# KiCad board rabbit_mask_backup.kicad_pcb (continued)
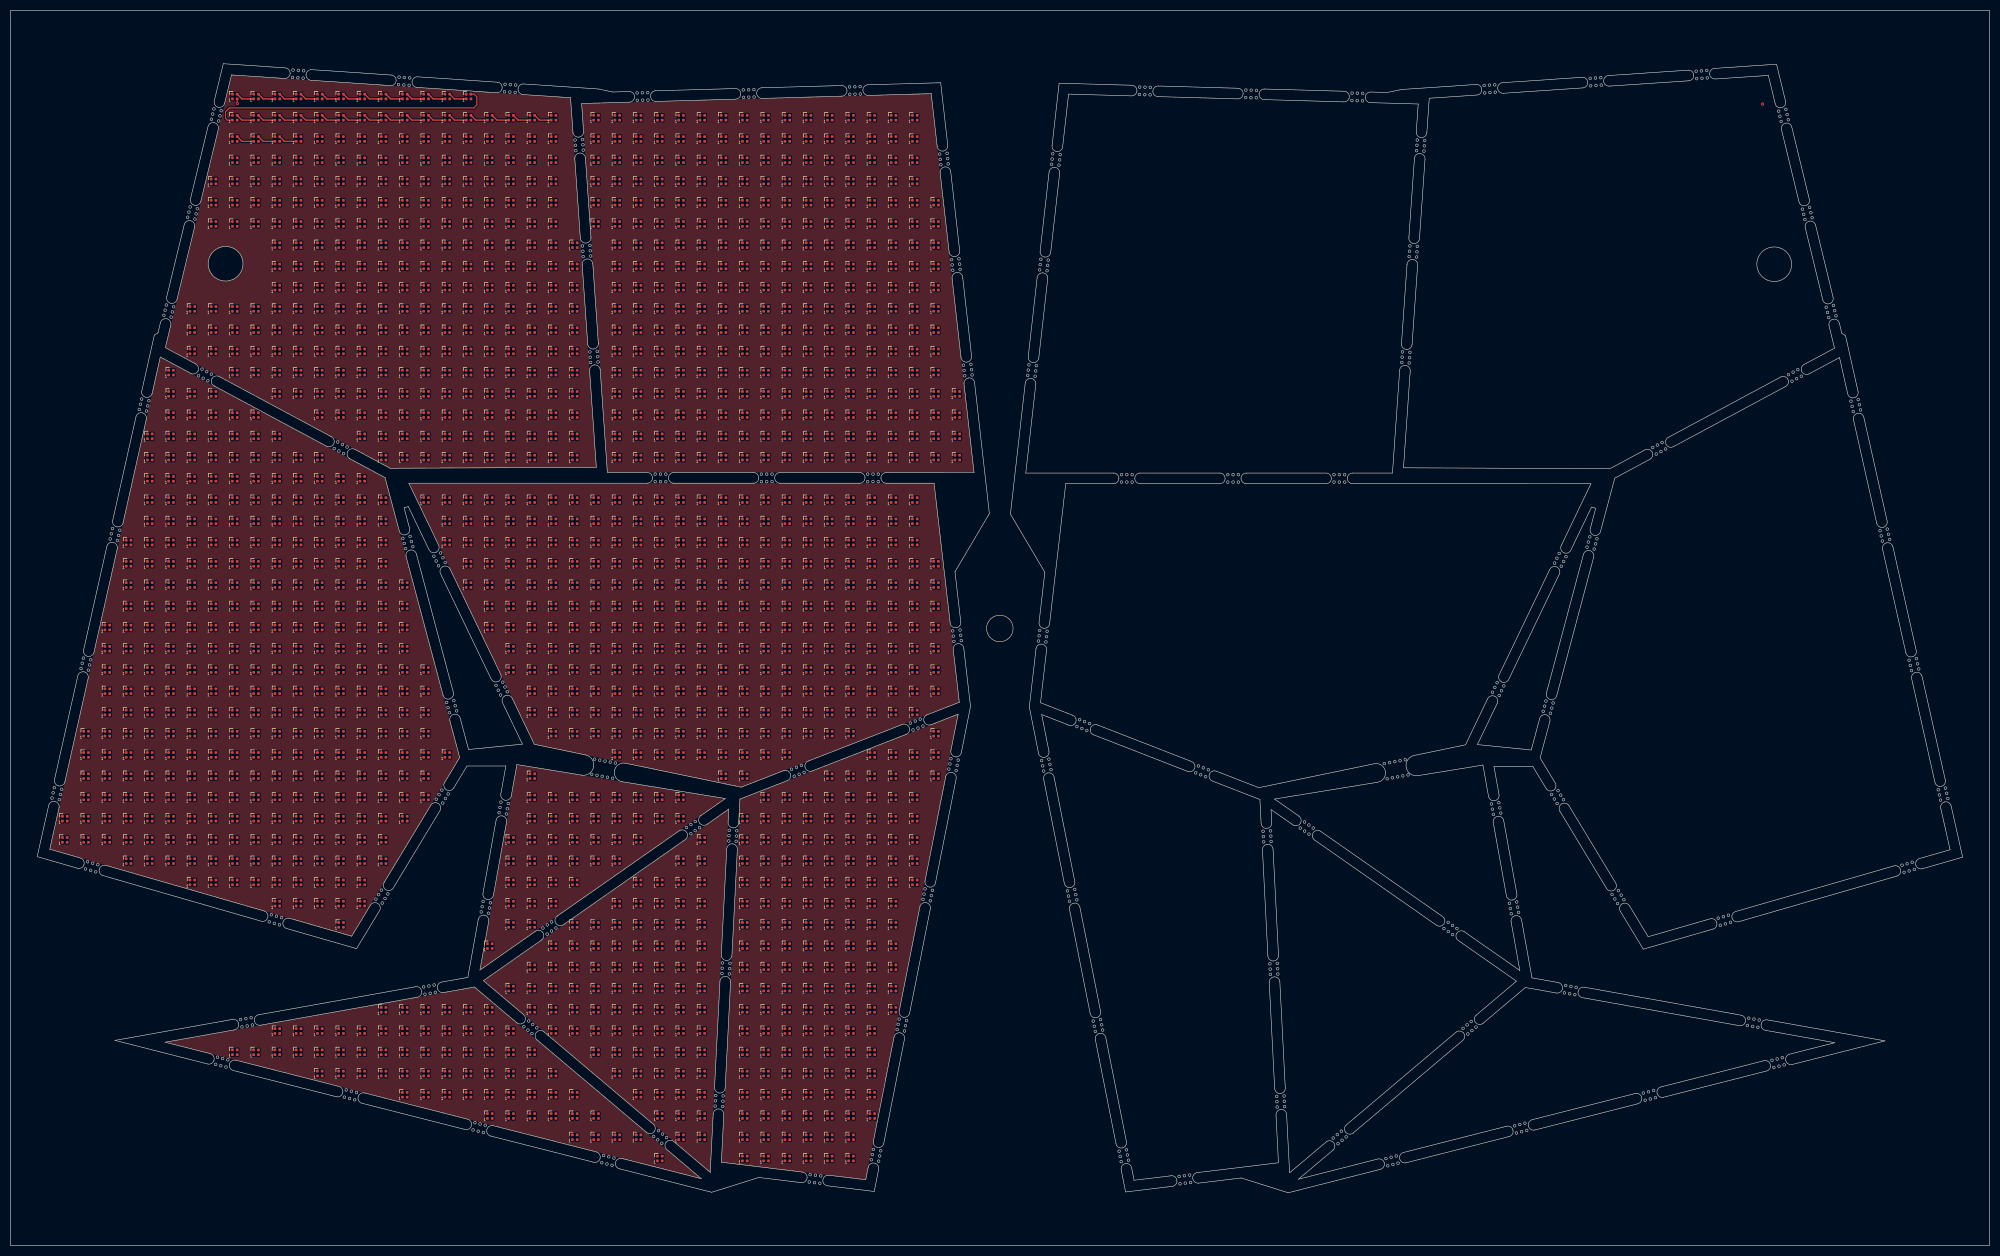
[diagram p0: board, top side]
## Nets (continued)
GND: D1.4 D2.4 D3.4 D4.4 D5.4 D6.4 D7.4 D8.4 D9.4 D10.4 D11.4 D12.4 D13.4 D14.4 D15.4 D16.4 D17.4 D18.4 D19.4 D20.4 D21.4 D22.4 D23.4 D24.4 D25.4 D26.4 D27.4 D28.4 D29.4 D30.4 D31.4 D32.4 D33.4 D34.4 D35.4 D36.4 D37.4 D38.4 D39.4 D40.4 D41.4 D42.4 D43.4 D44.4 D45.4 D46.4 D47.4 D48.4 D49.4 D50.4 D51.4 D52.4 D53.4 D54.4 D55.4 D56.4 D57.4 D58.4 D59.4 D60.4 D61.4 D62.4 D63.4 D64.4 D65.4 D66.4 D67.4 D68.4 D69.4 D70.4 D71.4 D72.4 D73.4 D74.4 D75.4 D76.4 D77.4 D78.4 D79.4 D80.4 D81.4 D82.4 D83.4 D84.4 D85.4 D86.4 D87.4 D88.4 D89.4 D90.4 D91.4 D92.4 D93.4 D94.4 D95.4 D96.4 D97.4 D98.4 D99.4 D100.4 D101.4 D102.4 D103.4 D104.4 D105.4 D106.4 D107.4 D108.4 D109.4 D110.4 D111.4 D112.4 D113.4 D114.4 D115.4 D116.4 D117.4 D118.4 D119.4 D120.4 D121.4 D122.4 D123.4 D124.4 D125.4 D126.4 D127.4 D128.4 D129.4 D130.4 D131.4 D132.4 D133.4 D134.4 D135.4 D136.4 D137.4 D138.4 D139.4 D140.4 D141.4 D142.4 D143.4 D144.4 D145.4 D146.4 D147.4 D148.4 D149.4 D150.4 D151.4 D152.4 D153.4 D154.4 D155.4 D156.4 D157.4 D158.4 D159.4 D160.4 D161.4 D162.4 D163.4 D164.4 D165.4 D166.4 D167.4 D168.4 D169.4 D170.4 D171.4 D172.4 D173.4 D174.4 D175.4 D176.4 D177.4 D178.4 D179.4 D180.4 D181.4 D182.4 D183.4 D184.4 D185.4 D186.4 D187.4 D188.4 D189.4 D190.4 D191.4 D192.4 D193.4 D194.4 D195.4 D196.4 D197.4 D198.4 D199.4 D200.4 D201.4 D202.4 D203.4 D204.4 D205.4 D206.4 D207.4 D208.4 D209.4 D210.4 D211.4 D212.4 D213.4 D214.4 D215.4 D216.4 D217.4 D218.4 D219.4 D220.4 D221.4 D222.4 D223.4 D224.4 D225.4 D226.4 D227.4 D228.4 D229.4 D230.4 D231.4 D232.4 D233.4 D234.4 D235.4 D236.4 D237.4 D238.4 D239.4 D240.4 D241.4 D242.4 D243.4 D244.4 D245.4 D246.4 D247.4 D248.4 D249.4 D250.4 D251.4 D252.4 D253.4 D254.4 D255.4 D256.4 D257.4 D258.4 D259.4 D260.4 D261.4 D262.4 D263.4 D264.4 D265.4 D266.4 D267.4 D268.4 D269.4 D270.4 D271.4 D272.4 D273.4 D274.4 D275.4 D276.4 D277.4 D278.4 D279.4 D280.4 D281.4 D282.4 D283.4 D284.4 D285.4 D286.4 D287.4 D288.4 D289.4 D290.4 D291.4 D292.4 D293.4 D294.4 D295.4 D296.4 D297.4 D298.4 D299.4 D300.4 D301.4 D302.4 D303.4 D304.4 D305.4 D306.4 D307.4 D308.4 D309.4 D310.4 D311.4 D312.4 D313.4 D314.4 D315.4 D316.4 D317.4 D318.4 D319.4 D320.4 D321.4 D322.4 D323.4 D324.4 D325.4 D326.4 D327.4 D328.4 D329.4 D330.4 D331.4 D332.4 D333.4 D334.4 D335.4 D336.4 D337.4 D338.4 D339.4 D340.4 D341.4 D342.4 D343.4 D344.4 D345.4 D346.4 D347.4 D348.4 D349.4 D350.4 D351.4 D352.4 D353.4 D354.4 D355.4 D356.4 D357.4 D358.4 D359.4 D360.4 D361.4 D362.4 D363.4 D364.4 D365.4 D366.4 D367.4 D368.4 D369.4 D370.4 D371.4 D372.4 D373.4 D374.4 D375.4 D376.4 D377.4 D378.4 D379.4 D380.4 D381.4 D382.4 D383.4 D384.4 D385.4 D386.4 D387.4 D388.4 D389.4 D390.4 D391.4 D392.4 D393.4 D394.4 D395.4 D396.4 D397.4 D398.4 D399.4 D400.4 D401.4 D402.4 D403.4 D404.4 D405.4 D406.4 D407.4 D408.4 D409.4 D410.4 D411.4 D412.4 D413.4 D414.4 D415.4 D416.4 D417.4 D418.4 D419.4 D420.4 D421.4 D422.4 D423.4 D424.4 D425.4 D426.4 D427.4 D428.4 D429.4 D430.4 D431.4 D432.4 D433.4 D434.4 D435.4 D436.4 D437.4 D438.4 D439.4 D440.4 D441.4 D442.4 D443.4 D444.4 D445.4 D446.4 D447.4 D448.4 D449.4 D450.4 D451.4 D452.4 D453.4 D454.4 D455.4 D456.4 D457.4 D458.4 D459.4 D460.4 D461.4 D462.4 D463.4 D464.4 D465.4 D466.4 D467.4 D468.4 D469.4 D470.4 D471.4 D472.4 D473.4 D474.4 D475.4 D476.4 D477.4 D478.4 D479.4 D480.4 D481.4 D482.4 D483.4 D484.4 D485.4 D486.4 D487.4 D488.4 D489.4 D490.4 D491.4 D492.4 D493.4 D494.4 D495.4 D496.4 D497.4 D498.4 D499.4 D500.4 D501.4 D502.4 D503.4 D504.4 D505.4 D506.4 D507.4 D508.4 D509.4 D510.4 D511.4 D512.4 D513.4 D514.4 D515.4 D516.4 D517.4 D518.4 D519.4 D520.4 D521.4 D522.4 D523.4 D524.4 D525.4 D526.4 D527.4 D528.4 D529.4 D530.4 D531.4 D532.4 D533.4 D534.4 D535.4 D536.4 D537.4 D538.4 D539.4 D540.4 D541.4 D542.4 D543.4 D544.4 D545.4 D546.4 D547.4 D548.4 D549.4 D550.4 D551.4 D552.4 D553.4 D554.4 D555.4 D556.4 D557.4 D558.4 D559.4 D560.4 D561.4 D562.4 D563.4 D564.4 D565.4 D566.4 D567.4 D568.4 D569.4 D570.4 D571.4 D572.4 D573.4 D574.4 D575.4 D576.4 D577.4 D578.4 D579.4 D580.4 D581.4 D582.4 D583.4 D584.4 D585.4 D586.4 D587.4 D588.4 D589.4 D590.4 D591.4 D592.4 D593.4 D594.4 D595.4 D596.4 D597.4 D598.4 D599.4 D600.4 D601.4 D602.4 D603.4 D604.4 D605.4 D606.4 D607.4 D608.4 D609.4 D610.4 D611.4 D612.4 D613.4 D614.4 D615.4 D616.4 D617.4 D618.4 D619.4 D620.4 D621.4 D622.4 D623.4 D624.4 D625.4 D626.4 D627.4 D628.4 D629.4 D630.4 D631.4 D632.4 D633.4 D634.4 D635.4 D636.4 D637.4 D638.4 D639.4 D640.4 D641.4 D642.4 D643.4 D644.4 D645.4 D646.4 D647.4 D648.4 D649.4 D650.4 D651.4 D652.4 D653.4 D654.4 D655.4 D656.4 D657.4 D658.4 D659.4 D660.4 D661.4 D662.4 D663.4 D664.4 D665.4 D666.4 D667.4 D668.4 D669.4 D670.4 D671.4 D672.4 D673.4 D674.4 D675.4 D676.4 D677.4 D678.4 D679.4 D680.4 D681.4 D682.4 D683.4 D684.4 D685.4 D686.4 D687.4 D688.4 D689.4 D690.4 D691.4 D692.4 D693.4 D694.4 D695.4 D696.4 D697.4 D698.4 D699.4 D700.4 D701.4 D702.4 D703.4 D704.4 D705.4 D706.4 D707.4 D708.4 D709.4 D710.4 D711.4 D712.4 D713.4 D714.4 D715.4 D716.4 D717.4 D718.4 D719.4 D720.4 D721.4 D722.4 D723.4 D724.4 D725.4 D726.4 D727.4 D728.4 D729.4 D730.4 D731.4 D732.4 D733.4 D734.4 D735.4 D736.4 D737.4 D738.4 D739.4 D740.4 D741.4 D742.4 D743.4 D744.4 D745.4 D746.4 D747.4 D748.4 D749.4 D750.4 D751.4 D752.4 D753.4 D754.4 D755.4 D756.4 D757.4 D758.4 D759.4 D760.4 D761.4 D762.4 D763.4 D764.4 D765.4 D766.4 D767.4 D768.4 D769.4 D770.4 D771.4 D772.4 D773.4 D774.4 D775.4 D776.4 D777.4 D778.4 D779.4 D780.4 D781.4 D782.4 D783.4 D784.4 D785.4 D786.4 D787.4 D788.4 D789.4 D790.4 D791.4 D792.4 D793.4 D794.4 D795.4 D796.4 D797.4 D798.4 D799.4 D800.4 D801.4 D802.4 D803.4 D804.4 D805.4 D806.4 D807.4 D808.4 D809.4 D810.4 D811.4 D812.4 D813.4 D814.4 D815.4 D816.4 D817.4 D818.4 D819.4 D820.4 D821.4 D822.4 D823.4 D824.4 D825.4 D826.4 D827.4 D828.4 D829.4 D830.4 D831.4 D832.4 D833.4 D834.4 D835.4 D836.4 D837.4 D838.4 D839.4 D840.4 D841.4 D842.4 D843.4 D844.4 D845.4 D846.4 D847.4 D848.4 D849.4 D850.4 D851.4 D852.4 D853.4 D854.4 D855.4 D856.4 D857.4 D858.4 D859.4 D860.4 D861.4 D862.4 D863.4 D864.4 D865.4 D866.4 D867.4 D868.4 D869.4 D870.4 D871.4 D872.4 D873.4 D874.4 D875.4 D876.4 D877.4 D878.4 D879.4 D880.4 D881.4 D882.4 D883.4 D884.4 D885.4 D886.4 D887.4 D888.4 D889.4 D890.4 D891.4 D892.4 D893.4 D894.4 D895.4 D896.4 D897.4 D898.4 D899.4 D900.4 D901.4 D902.4 D903.4 D904.4 D905.4 D906.4 D907.4 D908.4 D909.4 D910.4 D911.4 D912.4 D913.4 D914.4 D915.4 D916.4 D917.4 D918.4 D919.4 D920.4 D921.4 D922.4 D923.4 D924.4 D925.4 D926.4 D927.4 D928.4 D929.4 D930.4 D931.4 D932.4 D933.4 D934.4 D935.4 D936.4 D937.4 D938.4 D939.4 D940.4 D941.4 D942.4 D943.4 D944.4 D945.4 D946.4 D947.4 D948.4 D949.4 D950.4 D951.4 D952.4 D953.4 D954.4 D955.4 D956.4 D957.4 D958.4 D959.4 D960.4 D961.4 D962.4 D963.4 D964.4 D965.4 D966.4 D967.4 D968.4 D969.4 D970.4 D971.4 D972.4 D973.4 D974.4 D975.4 D976.4 D977.4 D978.4 D979.4 D980.4 D981.4 D982.4 D983.4 D984.4 D985.4 D986.4 D987.4 D988.4 D989.4 D990.4 D991.4 D992.4 D993.4 D994.4 D995.4 D996.4 D997.4 D998.4 D999.4 D1000.4 D1001.4 D1002.4 D1003.4 D1004.4 D1005.4 D1006.4 D1007.4 D1008.4 D1009.4 D1010.4 D1011.4 D1012.4 D1013.4 D1014.4 D1015.4 D1016.4 D1017.4 D1018.4 D1019.4 D1020.4 D1021.4 D1022.4 D1023.4 D1024.4 D1025.4 D1026.4 D1027.4 D1028.4 D1029.4 D1030.4 D1031.4 D1032.4 D1033.4 D1034.4 D1035.4 D1036.4 D1037.4 D1038.4 D1039.4 D1040.4 D1041.4 D1042.4 D1043.4 D1044.4 D1045.4 D1046.4 D1047.4 D1048.4 D1049.4 D1050.4 D1051.4 D1052.4 D1053.4 D1054.4 D1055.4 D1056.4 D1057.4 D1058.4 D1059.4 D1060.4 D1061.4 D1062.4 D1063.4 D1064.4 D1065.4 D1066.4 D1067.4 D1068.4 D1069.4 D1070.4 D1071.4 D1072.4 D1073.4 D1074.4 D1075.4 D1076.4 D1077.4 D1078.4 D1079.4 D1080.4 D1081.4 D1082.4 D1083.4 D1084.4 D1085.4 D1086.4 D1087.4 D1088.4 D1089.4 D1090.4 D1091.4 D1092.4 D1093.4 D1094.4 D1095.4 D1096.4 D1097.4 D1098.4 D1099.4 D1100.4 D1101.4 D1102.4 D1103.4 D1104.4 D1105.4 D1106.4 D1107.4 D1108.4 D1109.4 D1110.4 D1111.4 D1112.4 D1113.4 D1114.4 D1115.4 D1116.4 D1117.4 D1118.4 D1119.4 D1120.4 D1121.4 D1122.4 D1123.4 D1124.4 D1125.4 D1126.4 D1127.4 D1128.4 D1129.4 D1130.4 D1131.4 D1132.4 D1133.4 D1134.4 D1135.4 D1136.4 D1137.4 D1138.4 D1139.4 D1140.4 D1141.4 D1142.4 D1143.4 D1144.4 D1145.4 D1146.4 D1147.4 D1148.4 D1149.4 D1150.4 D1151.4 D1152.4 D1153.4 D1154.4 D1155.4 D1156.4 D1157.4 D1158.4 D1159.4 D1160.4 D1161.4 D1162.4 D1163.4 D1164.4 D1165.4 D1166.4 D1167.4 D1168.4 D1169.4 D1170.4 D1171.4 D1172.4 D1173.4 D1174.4 D1175.4 D1176.4 D1177.4 D1178.4 D1179.4 D1180.4 D1181.4 D1182.4 D1183.4 D1184.4 D1185.4 D1186.4 D1187.4 D1188.4 D1189.4 D1190.4 D1191.4 D1192.4 D1193.4 D1194.4 D1195.4 D1196.4 D1197.4 D1198.4 D1199.4 D1200.4 D1201.4 D1202.4 D1203.4 D1204.4 D1205.4 D1206.4 D1207.4 D1208.4 D1209.4 D1210.4 D1211.4 D1212.4 D1213.4 D1214.4 D1215.4 D1216.4 D1217.4 D1218.4 D1219.4 D1220.4 D1221.4 D1222.4 D1223.4 D1224.4 D1225.4 D1226.4 D1227.4 D1228.4 D1229.4 D1230.4 D1231.4 D1232.4 D1233.4 D1234.4 D1235.4 D1236.4 D1237.4 D1238.4 D1239.4 D1240.4 D1241.4 D1242.4 D1243.4 D1244.4 D1245.4 D1246.4 D1247.4 D1248.4 D1249.4 D1250.4 D1251.4 D1252.4 D1253.4 D1254.4 D1255.4 D1256.4 D1257.4 D1258.4 D1259.4 D1260.4 D1261.4 D1262.4 D1263.4 D1264.4 D1265.4 D1266.4 D1267.4 D1268.4 D1269.4 D1270.4 D1271.4 D1272.4 D1273.4 D1274.4 D1275.4 D1276.4 D1277.4 D1278.4 D1279.4 D1280.4 D1281.4 D1282.4 D1283.4 D1284.4 D1285.4 D1286.4 D1287.4 D1288.4 D1289.4 D1290.4 D1291.4 D1292.4 D1293.4 D1294.4 D1295.4 D1296.4 D1297.4 D1298.4 D1299.4 D1300.4 D1301.4 D1302.4 D1303.4 D1304.4 D1305.4 D1306.4 D1307.4 D1308.4 D1309.4 D1310.4 D1311.4 D1312.4 D1313.4 D1314.4 D1315.4 D1316.4 D1317.4 D1318.4 D1319.4 D1320.4 D1321.4 D1322.4 D1323.4 D1324.4 D1325.4 D1326.4 D1327.4 D1328.4 D1329.4 D1330.4 D1331.4 D1332.4 D1333.4 D1334.4 D1335.4 D1336.4 D1337.4 D1338.4 D1339.4 D1340.4 D1341.4 D1342.4 D1343.4 D1344.4 D1345.4 D1346.4 D1347.4 D1348.4 D1349.4 D1350.4 D1351.4 D1352.4 D1353.4 D1354.4 D1355.4 D1356.4 D1357.4 D1358.4 D1359.4 D1360.4 D1361.4 D1362.4 D1363.4 D1364.4 D1365.4 D1366.4 D1367.4 D1368.4 D1369.4 D1370.4 D1371.4 D1372.4 D1373.4 D1374.4 D1375.4 D1376.4 D1377.4 D1378.4 D1379.4 D1380.4 D1381.4 D1382.4 D1383.4 D1384.4 D1385.4 D1386.4 D1387.4 D1388.4 D1389.4 D1390.4 D1391.4 D1392.4 D1393.4 D1394.4 D1395.4 D1396.4 D1397.4 D1398.4 D1399.4 D1400.4 D1401.4 D1402.4 D1403.4 D1404.4 D1405.4 D1406.4 D1407.4 D1408.4 D1409.4 D1410.4 D1411.4 D1412.4 D1413.4 D1414.4 D1415.4 D1416.4 D1417.4 D1418.4 D1419.4 D1420.4 D1421.4 D1422.4 D1423.4 D1424.4 D1425.4 D1426.4 D1427.4 D1428.4 D1429.4 D1430.4 D1431.4 D1432.4 D1433.4 D1434.4 D1435.4 D1436.4 D1437.4 D1438.4 D1439.4 D1440.4 D1441.4 D1442.4 D1443.4 D1444.4 D1445.4 D1446.4 D1447.4 D1448.4 D1449.4 D1450.4 D1451.4 D1452.4 D1453.4 D1454.4 D1455.4 D1456.4 D1457.4 D1458.4 D1459.4 D1460.4 D1461.4 D1462.4 D1463.4 D1464.4 D1465.4 D1466.4 D1467.4 D1468.4 D1469.4 D1470.4 D1471.4 D1472.4 D1473.4 D1474.4 D1475.4 D1476.4 D1477.4 D1478.4 D1479.4 D1480.4 D1481.4 D1482.4 D1483.4 D1484.4
VCC: D1.2 D2.2 D3.2 D4.2 D5.2 D6.2 D7.2 D8.2 D9.2 D10.2 D11.2 D12.2 D13.2 D14.2 D15.2 D16.2 D17.2 D18.2 D19.2 D20.2 D21.2 D22.2 D23.2 D24.2 D25.2 D26.2 D27.2 D28.2 D29.2 D30.2 D31.2 D32.2 D33.2 D34.2 D35.2 D36.2 D37.2 D38.2 D39.2 D40.2 D41.2 D42.2 D43.2 D44.2 D45.2 D46.2 D47.2 D48.2 D49.2 D50.2 D51.2 D52.2 D53.2 D54.2 D55.2 D56.2 D57.2 D58.2 D59.2 D60.2 D61.2 D62.2 D63.2 D64.2 D65.2 D66.2 D67.2 D68.2 D69.2 D70.2 D71.2 D72.2 D73.2 D74.2 D75.2 D76.2 D77.2 D78.2 D79.2 D80.2 D81.2 D82.2 D83.2 D84.2 D85.2 D86.2 D87.2 D88.2 D89.2 D90.2 D91.2 D92.2 D93.2 D94.2 D95.2 D96.2 D97.2 D98.2 D99.2 D100.2 D101.2 D102.2 D103.2 D104.2 D105.2 D106.2 D107.2 D108.2 D109.2 D110.2 D111.2 D112.2 D113.2 D114.2 D115.2 D116.2 D117.2 D118.2 D119.2 D120.2 D121.2 D122.2 D123.2 D124.2 D125.2 D126.2 D127.2 D128.2 D129.2 D130.2 D131.2 D132.2 D133.2 D134.2 D135.2 D136.2 D137.2 D138.2 D139.2 D140.2 D141.2 D142.2 D143.2 D144.2 D145.2 D146.2 D147.2 D148.2 D149.2 D150.2 D151.2 D152.2 D153.2 D154.2 D155.2 D156.2 D157.2 D158.2 D159.2 D160.2 D161.2 D162.2 D163.2 D164.2 D165.2 D166.2 D167.2 D168.2 D169.2 D170.2 D171.2 D172.2 D173.2 D174.2 D175.2 D176.2 D177.2 D178.2 D179.2 D180.2 D181.2 D182.2 D183.2 D184.2 D185.2 D186.2 D187.2 D188.2 D189.2 D190.2 D191.2 D192.2 D193.2 D194.2 D195.2 D196.2 D197.2 D198.2 D199.2 D200.2 D201.2 D202.2 D203.2 D204.2 D205.2 D206.2 D207.2 D208.2 D209.2 D210.2 D211.2 D212.2 D213.2 D214.2 D215.2 D216.2 D217.2 D218.2 D219.2 D220.2 D221.2 D222.2 D223.2 D224.2 D225.2 D226.2 D227.2 D228.2 D229.2 D230.2 D231.2 D232.2 D233.2 D234.2 D235.2 D236.2 D237.2 D238.2 D239.2 D240.2 D241.2 D242.2 D243.2 D244.2 D245.2 D246.2 D247.2 D248.2 D249.2 D250.2 D251.2 D252.2 D253.2 D254.2 D255.2 D256.2 D257.2 D258.2 D259.2 D260.2 D261.2 D262.2 D263.2 D264.2 D265.2 D266.2 D267.2 D268.2 D269.2 D270.2 D271.2 D272.2 D273.2 D274.2 D275.2 D276.2 D277.2 D278.2 D279.2 D280.2 D281.2 D282.2 D283.2 D284.2 D285.2 D286.2 D287.2 D288.2 D289.2 D290.2 D291.2 D292.2 D293.2 D294.2 D295.2 D296.2 D297.2 D298.2 D299.2 D300.2 D301.2 D302.2 D303.2 D304.2 D305.2 D306.2 D307.2 D308.2 D309.2 D310.2 D311.2 D312.2 D313.2 D314.2 D315.2 D316.2 D317.2 D318.2 D319.2 D320.2 D321.2 D322.2 D323.2 D324.2 D325.2 D326.2 D327.2 D328.2 D329.2 D330.2 D331.2 D332.2 D333.2 D334.2 D335.2 D336.2 D337.2 D338.2 D339.2 D340.2 D341.2 D342.2 D343.2 D344.2 D345.2 D346.2 D347.2 D348.2 D349.2 D350.2 D351.2 D352.2 D353.2 D354.2 D355.2 D356.2 D357.2 D358.2 D359.2 D360.2 D361.2 D362.2 D363.2 D364.2 D365.2 D366.2 D367.2 D368.2 D369.2 D370.2 D371.2 D372.2 D373.2 D374.2 D375.2 D376.2 D377.2 D378.2 D379.2 D380.2 D381.2 D382.2 D383.2 D384.2 D385.2 D386.2 D387.2 D388.2 D389.2 D390.2 D391.2 D392.2 D393.2 D394.2 D395.2 D396.2 D397.2 D398.2 D399.2 D400.2 D401.2 D402.2 D403.2 D404.2 D405.2 D406.2 D407.2 D408.2 D409.2 D410.2 D411.2 D412.2 D413.2 D414.2 D415.2 D416.2 D417.2 D418.2 D419.2 D420.2 D421.2 D422.2 D423.2 D424.2 D425.2 D426.2 D427.2 D428.2 D429.2 D430.2 D431.2 D432.2 D433.2 D434.2 D435.2 D436.2 D437.2 D438.2 D439.2 D440.2 D441.2 D442.2 D443.2 D444.2 D445.2 D446.2 D447.2 D448.2 D449.2 D450.2 D451.2 D452.2 D453.2 D454.2 D455.2 D456.2 D457.2 D458.2 D459.2 D460.2 D461.2 D462.2 D463.2 D464.2 D465.2 D466.2 D467.2 D468.2 D469.2 D470.2 D471.2 D472.2 D473.2 D474.2 D475.2 D476.2 D477.2 D478.2 D479.2 D480.2 D481.2 D482.2 D483.2 D484.2 D485.2 D486.2 D487.2 D488.2 D489.2 D490.2 D491.2 D492.2 D493.2 D494.2 D495.2 D496.2 D497.2 D498.2 D499.2 D500.2 D501.2 D502.2 D503.2 D504.2 D505.2 D506.2 D507.2 D508.2 D509.2 D510.2 D511.2 D512.2 D513.2 D514.2 D515.2 D516.2 D517.2 D518.2 D519.2 D520.2 D521.2 D522.2 D523.2 D524.2 D525.2 D526.2 D527.2 D528.2 D529.2 D530.2 D531.2 D532.2 D533.2 D534.2 D535.2 D536.2 D537.2 D538.2 D539.2 D540.2 D541.2 D542.2 D543.2 D544.2 D545.2 D546.2 D547.2 D548.2 D549.2 D550.2 D551.2 D552.2 D553.2 D554.2 D555.2 D556.2 D557.2 D558.2 D559.2 D560.2 D561.2 D562.2 D563.2 D564.2 D565.2 D566.2 D567.2 D568.2 D569.2 D570.2 D571.2 D572.2 D573.2 D574.2 D575.2 D576.2 D577.2 D578.2 D579.2 D580.2 D581.2 D582.2 D583.2 D584.2 D585.2 D586.2 D587.2 D588.2 D589.2 D590.2 D591.2 D592.2 D593.2 D594.2 D595.2 D596.2 D597.2 D598.2 D599.2 D600.2 D601.2 D602.2 D603.2 D604.2 D605.2 D606.2 D607.2 D608.2 D609.2 D610.2 D611.2 D612.2 D613.2 D614.2 D615.2 D616.2 D617.2 D618.2 D619.2 D620.2 D621.2 D622.2 D623.2 D624.2 D625.2 D626.2 D627.2 D628.2 D629.2 D630.2 D631.2 D632.2 D633.2 D634.2 D635.2 D636.2 D637.2 D638.2 D639.2 D640.2 D641.2 D642.2 D643.2 D644.2 D645.2 D646.2 D647.2 D648.2 D649.2 D650.2 D651.2 D652.2 D653.2 D654.2 D655.2 D656.2 D657.2 D658.2 D659.2 D660.2 D661.2 D662.2 D663.2 D664.2 D665.2 D666.2 D667.2 D668.2 D669.2 D670.2 D671.2 D672.2 D673.2 D674.2 D675.2 D676.2 D677.2 D678.2 D679.2 D680.2 D681.2 D682.2 D683.2 D684.2 D685.2 D686.2 D687.2 D688.2 D689.2 D690.2 D691.2 D692.2 D693.2 D694.2 D695.2 D696.2 D697.2 D698.2 D699.2 D700.2 D701.2 D702.2 D703.2 D704.2 D705.2 D706.2 D707.2 D708.2 D709.2 D710.2 D711.2 D712.2 D713.2 D714.2 D715.2 D716.2 D717.2 D718.2 D719.2 D720.2 D721.2 D722.2 D723.2 D724.2 D725.2 D726.2 D727.2 D728.2 D729.2 D730.2 D731.2 D732.2 D733.2 D734.2 D735.2 D736.2 D737.2 D738.2 D739.2 D740.2 D741.2 D742.2 D743.2 D744.2 D745.2 D746.2 D747.2 D748.2 D749.2 D750.2 D751.2 D752.2 D753.2 D754.2 D755.2 D756.2 D757.2 D758.2 D759.2 D760.2 D761.2 D762.2 D763.2 D764.2 D765.2 D766.2 D767.2 D768.2 D769.2 D770.2 D771.2 D772.2 D773.2 D774.2 D775.2 D776.2 D777.2 D778.2 D779.2 D780.2 D781.2 D782.2 D783.2 D784.2 D785.2 D786.2 D787.2 D788.2 D789.2 D790.2 D791.2 D792.2 D793.2 D794.2 D795.2 D796.2 D797.2 D798.2 D799.2 D800.2 D801.2 D802.2 D803.2 D804.2 D805.2 D806.2 D807.2 D808.2 D809.2 D810.2 D811.2 D812.2 D813.2 D814.2 D815.2 D816.2 D817.2 D818.2 D819.2 D820.2 D821.2 D822.2 D823.2 D824.2 D825.2 D826.2 D827.2 D828.2 D829.2 D830.2 D831.2 D832.2 D833.2 D834.2 D835.2 D836.2 D837.2 D838.2 D839.2 D840.2 D841.2 D842.2 D843.2 D844.2 D845.2 D846.2 D847.2 D848.2 D849.2 D850.2 D851.2 D852.2 D853.2 D854.2 D855.2 D856.2 D857.2 D858.2 D859.2 D860.2 D861.2 D862.2 D863.2 D864.2 D865.2 D866.2 D867.2 D868.2 D869.2 D870.2 D871.2 D872.2 D873.2 D874.2 D875.2 D876.2 D877.2 D878.2 D879.2 D880.2 D881.2 D882.2 D883.2 D884.2 D885.2 D886.2 D887.2 D888.2 D889.2 D890.2 D891.2 D892.2 D893.2 D894.2 D895.2 D896.2 D897.2 D898.2 D899.2 D900.2 D901.2 D902.2 D903.2 D904.2 D905.2 D906.2 D907.2 D908.2 D909.2 D910.2 D911.2 D912.2 D913.2 D914.2 D915.2 D916.2 D917.2 D918.2 D919.2 D920.2 D921.2 D922.2 D923.2 D924.2 D925.2 D926.2 D927.2 D928.2 D929.2 D930.2 D931.2 D932.2 D933.2 D934.2 D935.2 D936.2 D937.2 D938.2 D939.2 D940.2 D941.2 D942.2 D943.2 D944.2 D945.2 D946.2 D947.2 D948.2 D949.2 D950.2 D951.2 D952.2 D953.2 D954.2 D955.2 D956.2 D957.2 D958.2 D959.2 D960.2 D961.2 D962.2 D963.2 D964.2 D965.2 D966.2 D967.2 D968.2 D969.2 D970.2 D971.2 D972.2 D973.2 D974.2 D975.2 D976.2 D977.2 D978.2 D979.2 D980.2 D981.2 D982.2 D983.2 D984.2 D985.2 D986.2 D987.2 D988.2 D989.2 D990.2 D991.2 D992.2 D993.2 D994.2 D995.2 D996.2 D997.2 D998.2 D999.2 D1000.2 D1001.2 D1002.2 D1003.2 D1004.2 D1005.2 D1006.2 D1007.2 D1008.2 D1009.2 D1010.2 D1011.2 D1012.2 D1013.2 D1014.2 D1015.2 D1016.2 D1017.2 D1018.2 D1019.2 D1020.2 D1021.2 D1022.2 D1023.2 D1024.2 D1025.2 D1026.2 D1027.2 D1028.2 D1029.2 D1030.2 D1031.2 D1032.2 D1033.2 D1034.2 D1035.2 D1036.2 D1037.2 D1038.2 D1039.2 D1040.2 D1041.2 D1042.2 D1043.2 D1044.2 D1045.2 D1046.2 D1047.2 D1048.2 D1049.2 D1050.2 D1051.2 D1052.2 D1053.2 D1054.2 D1055.2 D1056.2 D1057.2 D1058.2 D1059.2 D1060.2 D1061.2 D1062.2 D1063.2 D1064.2 D1065.2 D1066.2 D1067.2 D1068.2 D1069.2 D1070.2 D1071.2 D1072.2 D1073.2 D1074.2 D1075.2 D1076.2 D1077.2 D1078.2 D1079.2 D1080.2 D1081.2 D1082.2 D1083.2 D1084.2 D1085.2 D1086.2 D1087.2 D1088.2 D1089.2 D1090.2 D1091.2 D1092.2 D1093.2 D1094.2 D1095.2 D1096.2 D1097.2 D1098.2 D1099.2 D1100.2 D1101.2 D1102.2 D1103.2 D1104.2 D1105.2 D1106.2 D1107.2 D1108.2 D1109.2 D1110.2 D1111.2 D1112.2 D1113.2 D1114.2 D1115.2 D1116.2 D1117.2 D1118.2 D1119.2 D1120.2 D1121.2 D1122.2 D1123.2 D1124.2 D1125.2 D1126.2 D1127.2 D1128.2 D1129.2 D1130.2 D1131.2 D1132.2 D1133.2 D1134.2 D1135.2 D1136.2 D1137.2 D1138.2 D1139.2 D1140.2 D1141.2 D1142.2 D1143.2 D1144.2 D1145.2 D1146.2 D1147.2 D1148.2 D1149.2 D1150.2 D1151.2 D1152.2 D1153.2 D1154.2 D1155.2 D1156.2 D1157.2 D1158.2 D1159.2 D1160.2 D1161.2 D1162.2 D1163.2 D1164.2 D1165.2 D1166.2 D1167.2 D1168.2 D1169.2 D1170.2 D1171.2 D1172.2 D1173.2 D1174.2 D1175.2 D1176.2 D1177.2 D1178.2 D1179.2 D1180.2 D1181.2 D1182.2 D1183.2 D1184.2 D1185.2 D1186.2 D1187.2 D1188.2 D1189.2 D1190.2 D1191.2 D1192.2 D1193.2 D1194.2 D1195.2 D1196.2 D1197.2 D1198.2 D1199.2 D1200.2 D1201.2 D1202.2 D1203.2 D1204.2 D1205.2 D1206.2 D1207.2 D1208.2 D1209.2 D1210.2 D1211.2 D1212.2 D1213.2 D1214.2 D1215.2 D1216.2 D1217.2 D1218.2 D1219.2 D1220.2 D1221.2 D1222.2 D1223.2 D1224.2 D1225.2 D1226.2 D1227.2 D1228.2 D1229.2 D1230.2 D1231.2 D1232.2 D1233.2 D1234.2 D1235.2 D1236.2 D1237.2 D1238.2 D1239.2 D1240.2 D1241.2 D1242.2 D1243.2 D1244.2 D1245.2 D1246.2 D1247.2 D1248.2 D1249.2 D1250.2 D1251.2 D1252.2 D1253.2 D1254.2 D1255.2 D1256.2 D1257.2 D1258.2 D1259.2 D1260.2 D1261.2 D1262.2 D1263.2 D1264.2 D1265.2 D1266.2 D1267.2 D1268.2 D1269.2 D1270.2 D1271.2 D1272.2 D1273.2 D1274.2 D1275.2 D1276.2 D1277.2 D1278.2 D1279.2 D1280.2 D1281.2 D1282.2 D1283.2 D1284.2 D1285.2 D1286.2 D1287.2 D1288.2 D1289.2 D1290.2 D1291.2 D1292.2 D1293.2 D1294.2 D1295.2 D1296.2 D1297.2 D1298.2 D1299.2 D1300.2 D1301.2 D1302.2 D1303.2 D1304.2 D1305.2 D1306.2 D1307.2 D1308.2 D1309.2 D1310.2 D1311.2 D1312.2 D1313.2 D1314.2 D1315.2 D1316.2 D1317.2 D1318.2 D1319.2 D1320.2 D1321.2 D1322.2 D1323.2 D1324.2 D1325.2 D1326.2 D1327.2 D1328.2 D1329.2 D1330.2 D1331.2 D1332.2 D1333.2 D1334.2 D1335.2 D1336.2 D1337.2 D1338.2 D1339.2 D1340.2 D1341.2 D1342.2 D1343.2 D1344.2 D1345.2 D1346.2 D1347.2 D1348.2 D1349.2 D1350.2 D1351.2 D1352.2 D1353.2 D1354.2 D1355.2 D1356.2 D1357.2 D1358.2 D1359.2 D1360.2 D1361.2 D1362.2 D1363.2 D1364.2 D1365.2 D1366.2 D1367.2 D1368.2 D1369.2 D1370.2 D1371.2 D1372.2 D1373.2 D1374.2 D1375.2 D1376.2 D1377.2 D1378.2 D1379.2 D1380.2 D1381.2 D1382.2 D1383.2 D1384.2 D1385.2 D1386.2 D1387.2 D1388.2 D1389.2 D1390.2 D1391.2 D1392.2 D1393.2 D1394.2 D1395.2 D1396.2 D1397.2 D1398.2 D1399.2 D1400.2 D1401.2 D1402.2 D1403.2 D1404.2 D1405.2 D1406.2 D1407.2 D1408.2 D1409.2 D1410.2 D1411.2 D1412.2 D1413.2 D1414.2 D1415.2 D1416.2 D1417.2 D1418.2 D1419.2 D1420.2 D1421.2 D1422.2 D1423.2 D1424.2 D1425.2 D1426.2 D1427.2 D1428.2 D1429.2 D1430.2 D1431.2 D1432.2 D1433.2 D1434.2 D1435.2 D1436.2 D1437.2 D1438.2 D1439.2 D1440.2 D1441.2 D1442.2 D1443.2 D1444.2 D1445.2 D1446.2 D1447.2 D1448.2 D1449.2 D1450.2 D1451.2 D1452.2 D1453.2 D1454.2 D1455.2 D1456.2 D1457.2 D1458.2 D1459.2 D1460.2 D1461.2 D1462.2 D1463.2 D1464.2 D1465.2 D1466.2 D1467.2 D1468.2 D1469.2 D1470.2 D1471.2 D1472.2 D1473.2 D1474.2 D1475.2 D1476.2 D1477.2 D1478.2 D1479.2 D1480.2 D1481.2 D1482.2 D1483.2 D1484.2
Net-(D1-DOUT): D1.3 D2.1
Net-(D2-DIN): D2.3 D3.1
Net-(D3-DIN): D3.3 D4.1
Net-(D4-DIN): D4.3 D5.1
Net-(D5-DIN): D5.3 D6.1
Net-(D6-DIN): D6.3 D7.1
Net-(D7-DIN): D7.3 D8.1
Net-(D8-DIN): D8.3 D9.1
Net-(D10-DIN): D10.3 D11.1
Net-(D10-DOUT): D9.3 D10.1
Net-(D11-DIN): D11.3 D12.1
Net-(D12-DOUT): D12.3 D13.1
Net-(D13-DOUT): D13.3 D14.1
Net-(D14-DIN): D14.3 D15.1
Net-(D15-DIN): D15.3 D16.1
Net-(D16-DIN): D16.3 D17.1
Net-(D17-DIN): D17.3 D18.1
Net-(D18-DIN): D18.3 D19.1
Net-(D19-DIN): D19.3 D20.1
Net-(D20-DIN): D20.3 D21.1
Net-(D21-DIN): D21.3 D22.1
Net-(D22-DIN): D22.3 D23.1
Net-(D23-DIN): D23.3 D24.1
Net-(D24-DIN): D24.3 D25.1
Net-(D25-DIN): D25.3 D26.1
Net-(D26-DIN): D26.3 D27.1
Net-(D27-DIN): D27.3 D28.1
Net-(D28-DOUT): D28.3 D45.1
Net-(D29-DOUT): D29.3 D30.1
Net-(D30-DIN): D30.3 D31.1
Net-(D31-DIN): D31.3 D32.1
Net-(D32-DIN): D32.3 D33.1
Net-(D33-DIN): D33.3 D34.1
Net-(D34-DIN): D34.3 D35.1
Net-(D35-DIN): D35.3 D36.1
Net-(D36-DIN): D36.3 D37.1
Net-(D37-DIN): D37.3 D38.1
Net-(D38-DIN): D38.3 D39.1
Net-(D39-DIN): D39.3 D40.1
Net-(D40-DIN): D40.3 D41.1
Net-(D41-DIN): D41.3 D42.1
Net-(D42-DIN): D42.3 D43.1
Net-(D43-DIN): D43.3 D44.1
Net-(D45-DOUT): D45.3 D46.1
Net-(D46-DIN): D46.3 D47.1
Net-(D47-DIN): D47.3 D48.1
Net-(D48-DIN): D48.3 D49.1
Net-(D49-DIN): D49.3 D50.1
Net-(D50-DIN): D50.3 D51.1
Net-(D51-DIN): D51.3 D52.1
Net-(D52-DIN): D52.3 D53.1
Net-(D53-DIN): D53.3 D54.1
Net-(D54-DIN): D54.3 D55.1
Net-(D55-DIN): D55.3 D56.1
Net-(D56-DIN): D56.3 D57.1
Net-(D57-DIN): D57.3 D58.1
Net-(D58-DIN): D58.3 D59.1
Net-(D59-DIN): D59.3 D60.1
Net-(D60-DOUT): D60.3 D77.1
Net-(D61-DOUT): D61.3 D62.1
Net-(D62-DIN): D62.3 D63.1
Net-(D63-DIN): D63.3 D64.1
Net-(D64-DIN): D64.3 D65.1
Net-(D65-DIN): D65.3 D66.1
Net-(D66-DIN): D66.3 D67.1
Net-(D67-DIN): D67.3 D68.1
Net-(D68-DIN): D68.3 D69.1
Net-(D69-DIN): D69.3 D70.1
Net-(D70-DIN): D70.3 D71.1
Net-(D71-DIN): D71.3 D72.1
Net-(D72-DIN): D72.3 D73.1
Net-(D73-DIN): D73.3 D74.1
Net-(D74-DIN): D74.3 D75.1
Net-(D75-DIN): D75.3 D76.1
Net-(D76-DOUT): D76.3 D93.1
Net-(D77-DOUT): D77.3 D78.1
Net-(D78-DIN): D78.3 D79.1
Net-(D79-DIN): D79.3 D80.1
Net-(D80-DIN): D80.3 D81.1
Net-(D81-DIN): D81.3 D82.1
Net-(D82-DIN): D82.3 D83.1
Net-(D83-DIN): D83.3 D84.1
Net-(D84-DIN): D84.3 D85.1
Net-(D85-DIN): D85.3 D86.1
Net-(D86-DIN): D86.3 D87.1
Net-(D87-DIN): D87.3 D88.1
Net-(D88-DIN): D88.3 D89.1
Net-(D89-DIN): D89.3 D90.1
Net-(D90-DIN): D90.3 D91.1
Net-(D91-DIN): D91.3 D92.1
Net-(D93-DOUT): D93.3 D94.1
Net-(D94-DIN): D94.3 D95.1
Net-(D95-DIN): D95.3 D96.1
Net-(D96-DIN): D96.3 D97.1
Net-(D97-DIN): D97.3 D98.1
Net-(D98-DIN): D98.3 D99.1
Net-(D100-DIN): D100.3 D101.1
Net-(D100-DOUT): D99.3 D100.1
Net-(D101-DIN): D101.3 D102.1
Net-(D102-DIN): D102.3 D103.1
Net-(D103-DIN): D103.3 D104.1
Net-(D104-DIN): D104.3 D105.1
Net-(D105-DIN): D105.3 D106.1
Net-(D106-DIN): D106.3 D107.1
Net-(D107-DIN): D107.3 D108.1
Net-(D109-DIN): D92.3 D109.1
Net-(D109-DOUT): D109.3 D110.1
Net-(D110-DIN): D110.3 D111.1
Net-(D111-DIN): D111.3 D112.1
Net-(D112-DIN): D112.3 D113.1
Net-(D113-DIN): D113.3 D114.1
Net-(D114-DIN): D114.3 D115.1
Net-(D115-DIN): D115.3 D116.1
Net-(D116-DIN): D116.3 D117.1
Net-(D117-DIN): D117.3 D118.1
Net-(D118-DIN): D118.3 D119.1
Net-(D119-DIN): D119.3 D120.1
Net-(D120-DIN): D120.3 D121.1
Net-(D121-DIN): D121.3 D122.1
Net-(D122-DIN): D122.3 D123.1
Net-(D123-DIN): D123.3 D124.1
Net-(D124-DIN): D124.3 D125.1
Net-(D125-DOUT): D125.3 D142.1